# Altium PCB top_INA_v3.PcbDoc (part 4 of 5)
Units mil, origin at the board's own origin, x right, y up, seen from the top; angles counter-clockwise.
Board outline 10160 x 5830 mil, 2 copper layers (Top Layer, Bottom Layer); 635 components, 633 nets, 1722 pads, 292 vias.
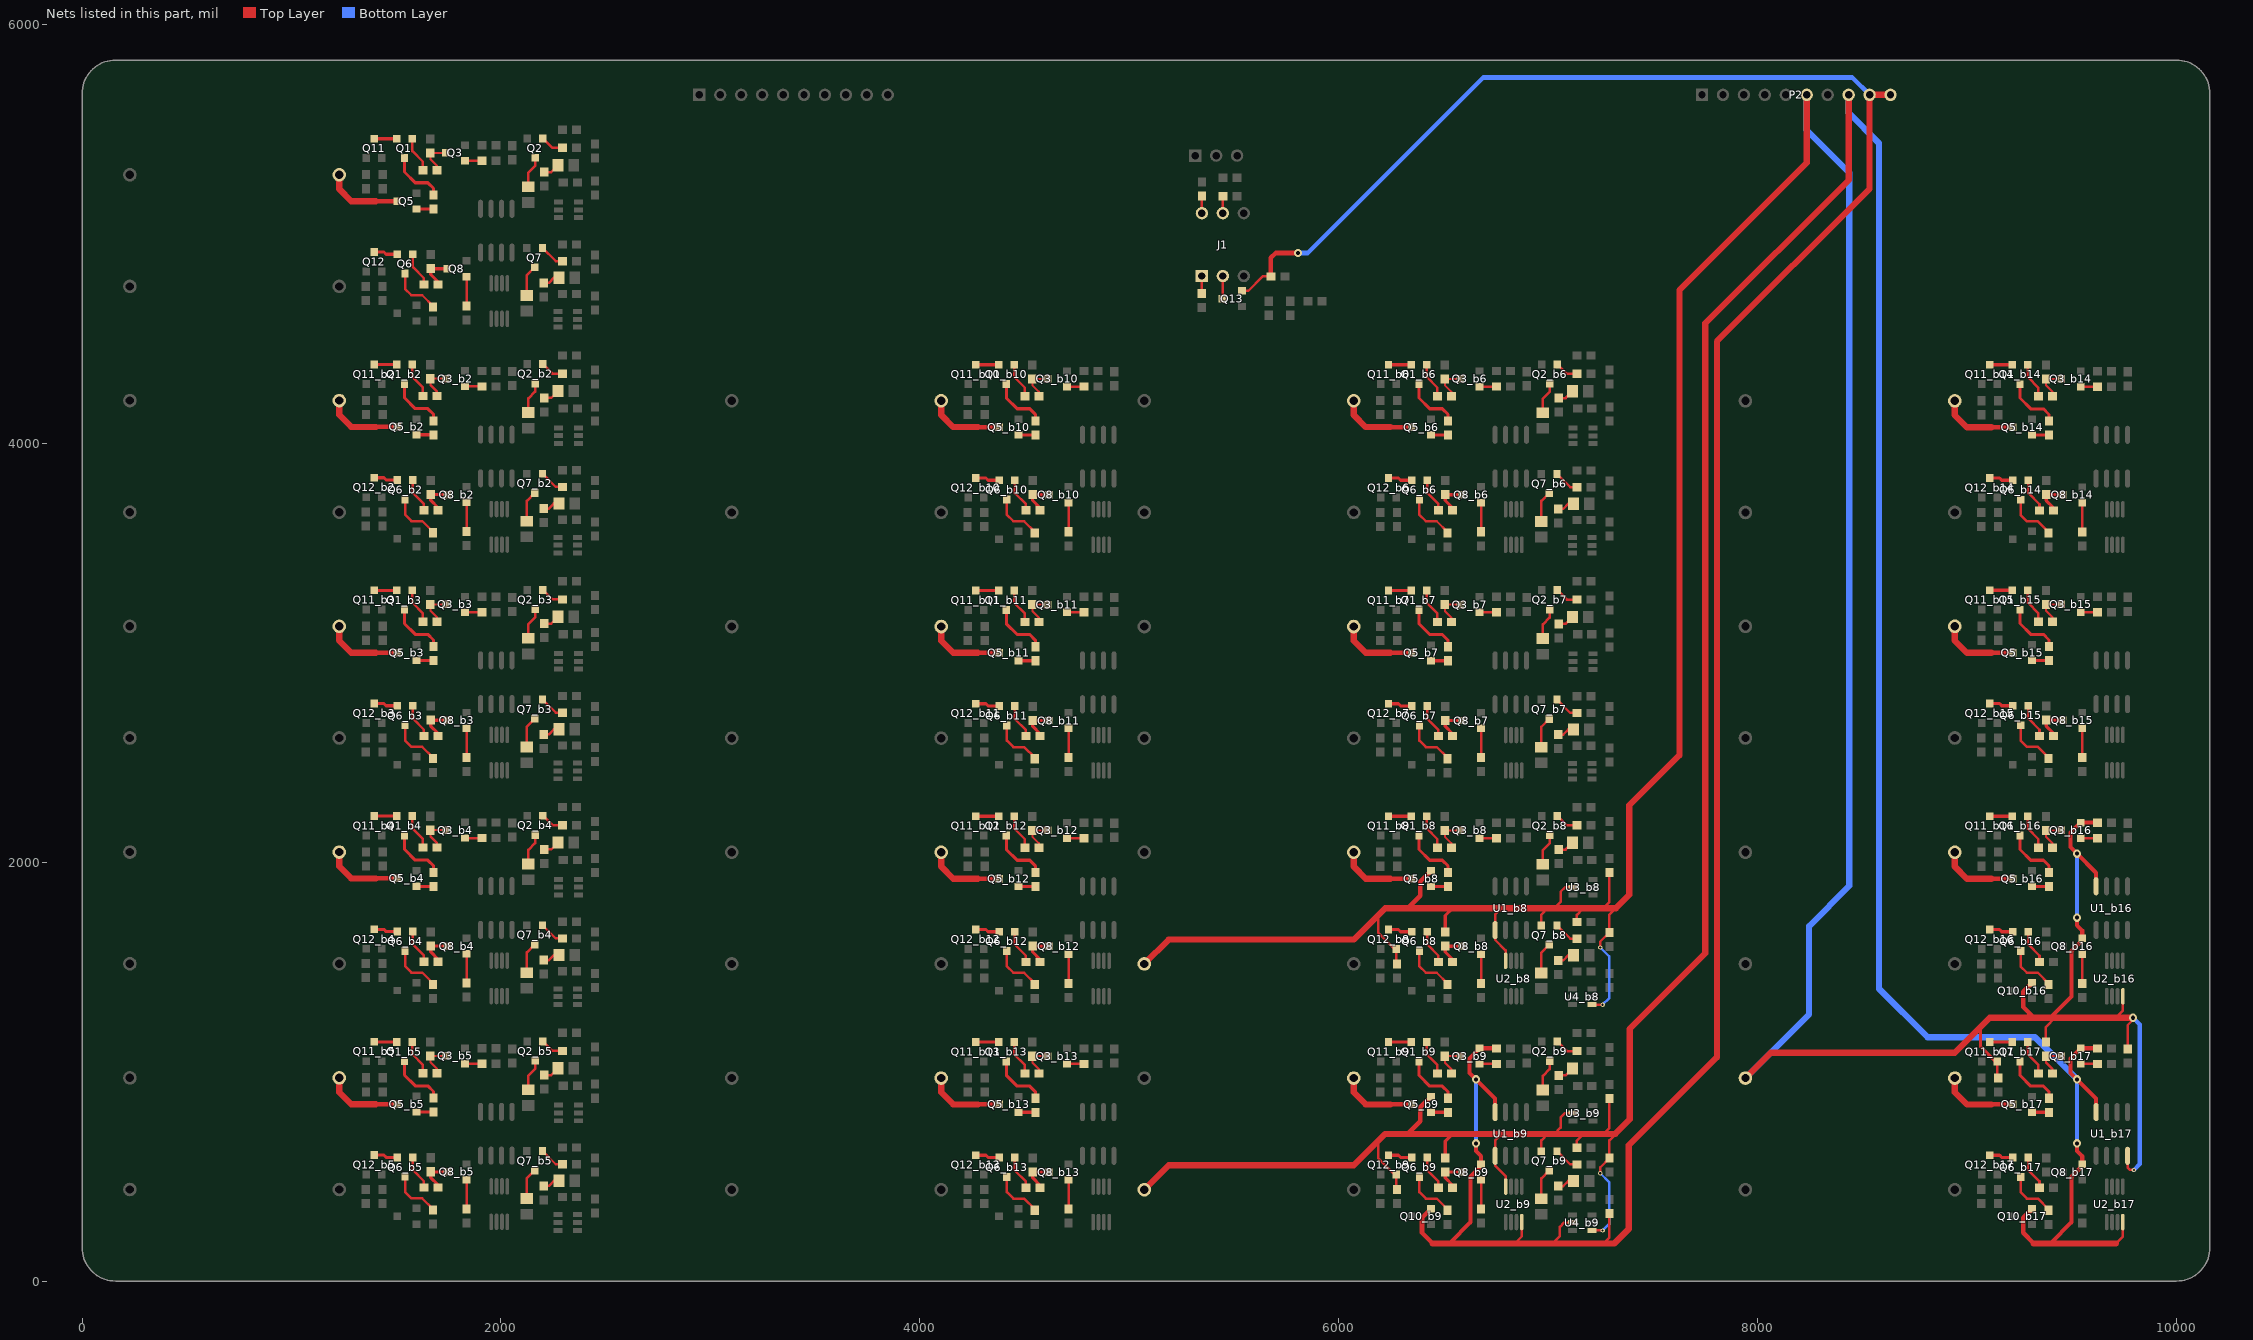
[diagram p4: the nets of this part, all layers, seen from the top]

## Via types
v1: diameter 20, hole 10, Top Layer to Bottom Layer, 235 vias
v2: diameter 40, hole 20, Top Layer to Bottom Layer, 53 vias
v3: diameter 125.98, hole 125.98, Top Layer to Bottom Layer, 4 vias

## Nets (pads, with @x,y where several pads share a name; then routed paths per layer and width w, separated by ;. In a path a pad name is that pad's centre, name@x,y a point inside that pad or via, vN(x,y) a via of type N, cw(c..) or ccw(c..) an arc to the next point about the centre after c; other vN are vias at no path point) (continued)
IN_A16: P2.6 Q3_b16.2 Q5_b8.2 Q7_b8.2 Q8_b16.2 Q10_b16.2 Q11_b17.2 Q12_b8.2 R1_b17.2 R6_b17.2 R9_b17.2 R12_b16.1 R13_b8.1 R14_b8.2 R19_b8.2 R20_b8.2 R21_b8.2 R40_b17.1 R42_b8.1 U1_b8.5 U1_b16.4 U1_b17.8 U2_b8.8 U2_b16.4 U3_b8.2 U4_b8.4 | length 19001.8
  Top Layer w12: 6187.99,1745.11 6187.99,1665.33 6267.25,1586.07 Q12_b8.2@6275.39,1586.07 6275.39,1517.4 R42_b8.1@6277.99,1514.8 ; 6777.86,1780.61 6746.86,1749.61 U1_b8.5@6746.86,1676.12 6746.86,1629.61 6797.47,1579 U2_b8.8@6797.47,1529.26 ; Q7_b8.2@6967.6,1698.26 6967.6,1750.21 6998,1780.61 ; 7030,1780.61 7060,1810.61 7060,1859 7081,1880 U3_b8.2@7119.76,1880 ; R20_b8.2@7137.54,1715 7137.54,1748.54 7165,1776 7165,1780.61 ; U4_b8.4@7210.24,1319.6 v1(7260.6,1319.6) ; v1(7249,1593) 7249,1621.22 R21_b8.2@7292.86,1665.07 7292.86,1749.61 7323.86,1780.61 ; 7264,1780.61 7292.86,1809.47 R13_b8.1@7292.86,1950.14 ; Q11_b17.2@9145.39,1049.07 9145.39,974.4 R40_b17.1@9149.99,969.8 ; R6_b17.2@9376.86,1140.54 9376.86,1212.86 9421.28,1257.28 ; 9457.28,1257.54 9457.35,1257.61 9457.54,1257.8 ; 9465.54,1257.54 9465.61,1257.61 ; 9710.86,1257.61 9744.24,1291 U2_b16.4@9744.24,1359.96 ; 9753.86,1256.61 9754.79,1257.54 9754.86,1257.61 ; U1_b17.8@9766.86,598.12 9766.86,542.61 9778.86,530.61 v1(9796.86,530.61) ; R9_b17.2@9767.86,1108.07 9767.86,1222.61 v2@9792.86,1247.61
  Top Layer w15: R19_b8.2@6508.86,1666.07 6508.86,1745.61 6543.86,1780.61 6547.86,1780.61 ; 9063.99,1206.86 9063.99,1120.89 Q11_b17.2@9135.81,1049.07
  Top Layer w20: Q11_b17.2@9135.81,1049.07 Q11_b17.2@9145.39,1049.07 ; 9400.86,1260.14 9499.86,1359.14 9499.86,1576.17 9550.12,1626.43 Q8_b16.2@9550.12,1636.01 9550.12,1674.35 9525.72,1698.74 v2(9525.72,1735.61) ; 9464.86,1256.61 9465.79,1257.54 ; U1_b16.4@9616.86,1885.1 9616.86,1949.88 v2(9525.72,2041.01) 9494.72,2072.01 9494.72,2141.15 Q3_b16.2@9542.98,2189.41 R12_b16.1@9623.86,2189.41
  Top Layer w22: 6329.86,1780.61 6389.86,1840.61 6389.86,1907.75 Q5_b8.2@6441.12,1959.01 ; Q10_b16.2@9311.12,1424.01 9267.86,1380.75 9267.86,1308.61 9318.86,1257.61 ; 9362.86,1257.61 9362.93,1257.54
  Top Layer w30: R14_b8.2@5071.99,1514.33 5188.27,1630.61 6071.99,1630.61 6221.99,1780.61 6329.86,1780.61 6543.86,1780.61 ; 6547.86,1780.61 6777.86,1780.61 6998,1780.61 7030,1780.61 7165,1780.61 7264,1780.61 7320.53,1780.61 ; 7323.86,1780.61 7388,1844.75 7388,2272.08 7626.99,2511.07 7626.99,4731.97 8234.99,5339.97 P2.6@8234.99,5664.07 ; R1_b17.2@7941.99,969.33 8063.02,1090.36 8941.99,1090.36 9109.24,1257.61 9318.86,1257.61 9362.86,1257.61 9457.35,1257.61 9465.61,1257.61 9710.86,1257.61 9754.86,1257.61 v2(9792.86,1257.61) ; 9362.93,1257.54 9457.28,1257.54 9465.54,1257.54 9465.79,1257.54 9754.79,1257.54
  Bottom Layer w12: v1(7249,1593) 7291,1551 7291,1350 v1(7260.6,1319.6)
  Bottom Layer w20: v2(9525.72,1735.61) v2(9525.72,2041.01) ; v2(9792.86,1257.61) 9824.86,1225.61 9824.86,558.61 v1(9796.86,530.61)
  Bottom Layer w30: R1_b17.2@7941.99,969.33 8245.99,1273.33 8245.99,1695.07 8438.57,1887.65 8438.57,5291.65 8234.99,5495.23 P2.6@8234.99,5664.07
IN_B8: P2.8 Q3_b17.2 Q5_b9.2 Q7_b9.2 Q8_b17.2 Q10_b17.2 Q12_b9.2 R12_b17.1 R13_b9.1 R14_b9.2 R19_b9.2 R20_b9.2 R21_b9.2 R42_b9.1 U1_b9.5 U1_b17.4 U2_b9.8 U2_b17.4 U3_b9.2 U4_b9.4 | length 17256.1
  Top Layer w12: 6187.99,667.11 6187.99,587.33 6267.25,508.07 Q12_b9.2@6275.39,508.07 6275.39,439.4 R42_b9.1@6277.99,436.8 ; 6777.86,702.61 6746.86,671.61 U1_b9.5@6746.86,598.12 6746.86,551.61 6797.47,501 U2_b9.8@6797.47,451.26 ; Q7_b9.2@6967.6,620.26 6967.6,672.21 6998,702.61 ; 7030,702.61 7060,732.61 7060,781 7081,802 U3_b9.2@7119.76,802 ; R20_b9.2@7137.54,637 7137.54,670.54 7165,698 7165,702.61 ; U4_b9.4@7210.24,241.6 v1(7260.6,241.6) ; v1(7249,515) 7249,543.22 R21_b9.2@7292.86,587.07 7292.86,671.61 7323.86,702.61 ; 7264,702.61 7292.86,731.47 R13_b9.1@7292.86,872.14 ; 9709.86,178.61 9710.79,179.54 9744.24,213 U2_b17.4@9744.24,281.96
  Top Layer w15: R19_b9.2@6508.86,588.07 6508.86,667.61 6543.86,702.61 6547.86,702.61
  Top Layer w20: 9400.86,182.14 9499.86,281.14 9499.86,498.17 9550.12,548.43 Q8_b17.2@9550.12,558.01 9550.12,596.35 9525.72,620.74 v2(9525.72,657.61) ; 9420.86,178.61 9421.79,179.54 ; U1_b17.4@9616.86,807.1 9616.86,871.88 v2(9525.72,963.01) 9494.72,994.01 9494.72,1063.15 Q3_b17.2@9542.98,1111.41 R12_b17.1@9623.86,1111.41
  Top Layer w22: 6329.86,702.61 6389.86,762.61 6389.86,829.75 Q5_b9.2@6441.12,881.01 ; Q10_b17.2@9311.12,346.01 9267.86,302.75 9267.86,230.61 9318.93,179.54
  Top Layer w30: R14_b9.2@5071.99,436.33 5188.27,552.61 6071.99,552.61 6221.99,702.61 6329.86,702.61 6543.86,702.61 ; 6547.86,702.61 6777.86,702.61 6998,702.61 7030,702.61 7165,702.61 7264,702.61 7320.53,702.61 7390,772.08 7390,1204.08 7750.99,1565.07 7750.99,4573.12 8434.99,5257.12 P2.8@8434.99,5664.07 ; 9318.93,179.54 9421.79,179.54 9710.79,179.54
  Bottom Layer w12: v1(7249,515) 7291,473 7291,272 v1(7260.6,241.6)
  Bottom Layer w20: v2(9525.72,657.61) v2(9525.72,963.01)
  Bottom Layer w30: P2.8@8434.99,5664.07 8434.99,5578.07 8579.99,5433.07 8579.99,1396.01 8812,1164 9324.74,1164 v2(9525.72,963.01)
IN_C8: P2.9 P2.10 Q3_b9.2 Q8_b9.2 Q10_b9.2 Q13.2 R12_b9.1 R24_b9.1 R28.1 U1_b9.4 U2_b9.4 U4_b9.2 | length 12409.3
  Top Layer w12: Q13.2@5538.25,4728.48 5568.39,4728.48 5636.99,4797.07 R28.1@5676.53,4797.07 ; 6840.79,179.54 6874.24,213 U2_b9.4@6874.24,281.96 ; 7021,179.54 7056,214.54 7056,259 7076,279 U4_b9.2@7115.76,279 ; 7264.17,179.54 7292.86,208.22 R24_b9.1@7292.86,323.14
  Top Layer w20: 6530.86,182.14 6629.86,281.14 6629.86,498.17 6680.12,548.43 Q8_b9.2@6680.12,558.01 6680.12,596.35 6655.72,620.74 v2(6655.72,657.61) ; U1_b9.4@6746.86,807.1 6746.86,871.88 v2(6655.72,963.01) 6624.72,994.01 6624.72,1063.15 Q3_b9.2@6672.98,1111.41 R12_b9.1@6753.86,1111.41
  Top Layer w22: R28.1@5676.53,4797.07 5676.53,4885.61 5699.99,4909.07 v2(5805.99,4909.07) ; Q10_b9.2@6441.12,346.01 6397.86,302.75 6397.86,230.61 6448.93,179.54
  Top Layer w30: 6448.93,179.54 6840.79,179.54 7021,179.54 7264.17,179.54 7315.99,179.54 7385,248.55 7385,648.08 7805.99,1069.07 7805.99,4486.7 8534.99,5215.7 8534.99,5664.07 P2.10@8634.99,5664.07
  Bottom Layer w20: v2(6655.72,657.61) v2(6655.72,963.01)
  Bottom Layer w22: v2(5805.99,4909.07) 5851.99,4909.07 6689.99,5747.07 8451.99,5747.07 P2.9@8534.99,5664.07
NetD1_1: D1.1 Q2.3 | length 151.6
  Top Layer w12: D1.1@2131,5225.4 2131,5293 2163,5325 Q2.3@2163,5363.74
NetD1_b2_1: D1_b2.1 Q2_b2.3 | length 151.6
  Top Layer w12: D1_b2.1@2131.01,4147.33 2131.01,4214.93 2163.01,4246.93 Q2_b2.3@2163.01,4285.67
NetD1_b3_1: D1_b3.1 Q2_b3.3 | length 151.6
  Top Layer w12: D1_b3.1@2131.01,3069.33 2131.01,3136.93 2163.01,3168.93 Q2_b3.3@2163.01,3207.67
NetD1_b4_1: D1_b4.1 Q2_b4.3 | length 151.6
  Top Layer w12: D1_b4.1@2131.01,1991.33 2131.01,2058.93 2163.01,2090.93 Q2_b4.3@2163.01,2129.67
NetD1_b5_1: D1_b5.1 Q2_b5.3 | length 151.6
  Top Layer w12: D1_b5.1@2131.01,913.33 2131.01,980.93 2163.01,1012.93 Q2_b5.3@2163.01,1051.67
NetD1_b6_1: D1_b6.1 Q2_b6.3 | length 151.6
  Top Layer w12: D1_b6.1@6975,4146.4 6975,4214 7007,4246 Q2_b6.3@7007,4284.74
NetD1_b7_1: D1_b7.1 Q2_b7.3 | length 151.6
  Top Layer w12: D1_b7.1@6975,3068.4 6975,3136 7007,3168 Q2_b7.3@7007,3206.74
NetD1_b8_1: D1_b8.1 Q2_b8.3 | length 151.6
  Top Layer w12: D1_b8.1@6975,1990.4 6975,2058 7007,2090 Q2_b8.3@7007,2128.74
NetD1_b9_1: D1_b9.1 Q2_b9.3 | length 151.6
  Top Layer w12: D1_b9.1@6975,912.4 6975,980 7007,1012 Q2_b9.3@7007,1050.74
NetD1_b10_1: 
NetD1_b11_1: 
NetD1_b12_1: 
NetD1_b13_1: 
NetD1_b14_1: 
NetD1_b15_1: 
NetD1_b16_1: 
NetD1_b17_1: 
NetD2_1: D2.1 Q7.3 | length 149.7
  Top Layer w12: D2.1@2124,4706.4 2124,4803.74 Q7.3@2161,4840.74
NetD2_b2_1: D2_b2.1 Q7_b2.3 | length 149.7
  Top Layer w12: D2_b2.1@2124.01,3628.33 2124.01,3725.67 Q7_b2.3@2161.01,3762.67
NetD2_b3_1: D2_b3.1 Q7_b3.3 | length 149.7
  Top Layer w12: D2_b3.1@2124.01,2550.33 2124.01,2647.67 Q7_b3.3@2161.01,2684.67
NetD2_b4_1: D2_b4.1 Q7_b4.3 | length 149.7
  Top Layer w12: D2_b4.1@2124.01,1472.33 2124.01,1569.67 Q7_b4.3@2161.01,1606.67
NetD2_b5_1: D2_b5.1 Q7_b5.3 | length 149.7
  Top Layer w12: D2_b5.1@2124.01,394.33 2124.01,491.67 Q7_b5.3@2161.01,528.67
NetD2_b6_1: D2_b6.1 Q7_b6.3 | length 149.7
  Top Layer w12: D2_b6.1@6968,3627.4 6968,3724.74 Q7_b6.3@7005,3761.74
NetD2_b7_1: D2_b7.1 Q7_b7.3 | length 149.7
  Top Layer w12: D2_b7.1@6968,2549.4 6968,2646.74 Q7_b7.3@7005,2683.74
NetD2_b8_1: D2_b8.1 Q7_b8.3 | length 149.7
  Top Layer w12: D2_b8.1@6968,1471.4 6968,1568.74 Q7_b8.3@7005,1605.74
NetD2_b9_1: D2_b9.1 Q7_b9.3 | length 149.7
  Top Layer w12: D2_b9.1@6968,393.4 6968,490.74 Q7_b9.3@7005,527.74
NetD2_b10_1: 
NetD2_b11_1: 
NetD2_b12_1: 
NetD2_b13_1: 
NetD2_b14_1: 
NetD2_b15_1: 
NetD2_b16_1: 
NetD2_b17_1: 
NetD3_1: D3.1 R52.2 | length 79.1
  Top Layer w12: R52.2@2207,5295.46 2240.06,5295.46 D3.1@2272.6,5328
NetD3_b2_1: D3_b2.1 R52_b2.2 | length 79.1
  Top Layer w12: R52_b2.2@2207.01,4217.39 2240.07,4217.39 D3_b2.1@2272.61,4249.93
NetD3_b3_1: D3_b3.1 R52_b3.2 | length 79.1
  Top Layer w12: R52_b3.2@2207.01,3139.39 2240.07,3139.39 D3_b3.1@2272.61,3171.93
NetD3_b4_1: D3_b4.1 R52_b4.2 | length 79.1
  Top Layer w12: R52_b4.2@2207.01,2061.39 2240.07,2061.39 D3_b4.1@2272.61,2093.93
NetD3_b5_1: D3_b5.1 R52_b5.2 | length 79.1
  Top Layer w12: R52_b5.2@2207.01,983.39 2240.07,983.39 D3_b5.1@2272.61,1015.93
NetD3_b6_1: D3_b6.1 R52_b6.2 | length 79.1
  Top Layer w12: R52_b6.2@7051,4216.46 7084.06,4216.46 D3_b6.1@7116.6,4249
NetD3_b7_1: D3_b7.1 R52_b7.2 | length 79.1
  Top Layer w12: R52_b7.2@7051,3138.46 7084.06,3138.46 D3_b7.1@7116.6,3171
NetD3_b8_1: D3_b8.1 R52_b8.2 | length 79.1
  Top Layer w12: R52_b8.2@7051,2060.46 7084.06,2060.46 D3_b8.1@7116.6,2093
NetD3_b9_1: D3_b9.1 R52_b9.2 | length 79.1
  Top Layer w12: R52_b9.2@7051,982.46 7084.06,982.46 D3_b9.1@7116.6,1015
NetD3_b10_1: 
NetD3_b11_1: 
NetD3_b12_1: 
NetD3_b13_1: 
NetD3_b14_1: 
NetD3_b15_1: 
NetD3_b16_1: 
NetD3_b17_1: 
NetD4_1: D4.1 R54.2 | length 83.8
  Top Layer w12: R54.2@2204,4766.46 2228.46,4766.46 2253,4791 D4.1@2277.6,4791
NetD4_b2_1: D4_b2.1 R54_b2.2 | length 83.8
  Top Layer w12: R54_b2.2@2204.01,3688.39 2228.47,3688.39 2253.01,3712.93 D4_b2.1@2277.61,3712.93
NetD4_b3_1: D4_b3.1 R54_b3.2 | length 83.8
  Top Layer w12: R54_b3.2@2204.01,2610.39 2228.47,2610.39 2253.01,2634.93 D4_b3.1@2277.61,2634.93
NetD4_b4_1: D4_b4.1 R54_b4.2 | length 83.8
  Top Layer w12: R54_b4.2@2204.01,1532.39 2228.47,1532.39 2253.01,1556.93 D4_b4.1@2277.61,1556.93
NetD4_b5_1: D4_b5.1 R54_b5.2 | length 83.8
  Top Layer w12: R54_b5.2@2204.01,454.39 2228.47,454.39 2253.01,478.93 D4_b5.1@2277.61,478.93
NetD4_b6_1: D4_b6.1 R54_b6.2 | length 83.8
  Top Layer w12: R54_b6.2@7048,3687.46 7072.46,3687.46 7097,3712 D4_b6.1@7121.6,3712
NetD4_b7_1: D4_b7.1 R54_b7.2 | length 83.8
  Top Layer w12: R54_b7.2@7048,2609.46 7072.46,2609.46 7097,2634 D4_b7.1@7121.6,2634
NetD4_b8_1: D4_b8.1 R54_b8.2 | length 83.8
  Top Layer w12: R54_b8.2@7048,1531.46 7072.46,1531.46 7097,1556 D4_b8.1@7121.6,1556
NetD4_b9_1: D4_b9.1 R54_b9.2 | length 83.8
  Top Layer w12: R54_b9.2@7048,453.46 7072.46,453.46 7097,478 D4_b9.1@7121.6,478
NetD4_b10_1: 
NetD4_b11_1: 
NetD4_b12_1: 
NetD4_b13_1: 
NetD4_b14_1: 
NetD4_b15_1: 
NetD4_b16_1: 
NetD4_b17_1: 
NetJ1_1: J1.1 R25.2 | length 82.5
  Top Layer w12: R25.2@5345.99,4715.54 J1.1@5345.99,4797.99
NetJ1_2: J1.2 Q13.3 | length 106.7
  Top Layer w12: Q13.3@5445.73,4691.07 J1.2@5445.73,4797.73
NetJ1_5: J1.5 R27.1 | length 80.5
  Top Layer w12: J1.5@5447,5099 R27.1@5447,5179.46
NetJ1_6: J1.6 R26.1 | length 82.5
  Top Layer w12: J1.6@5347,5099 R26.1@5347,5181.54
NetQ1_1: Q1.1 R35.2 | length 171.2
  Top Layer w12: Q1.1@1576.8,5454.33 1576.8,5395.14 1627.39,5344.54 R35.2@1627.39,5304.07
NetQ1_2: Q1.2 Q11.3 | length 107.7
  Top Layer w15: Q11.3@1394.25,5454.33 Q1.2@1501.99,5454.33
NetQ1_3: Q1.3 R11.2 | length 268.8
  Top Layer w15: Q1.3@1539.39,5361.81 1539.39,5295.54 1590.86,5244.07 1651.25,5244.07 1677.99,5217.33 R11.2@1677.99,5185.8
NetQ1_b2_1: Q1_b2.1 R35_b2.2 | length 171.2
  Top Layer w12: Q1_b2.1@1576.8,4376.26 1576.8,4317.06 1627.4,4266.46 R35_b2.2@1627.4,4226
NetQ1_b2_2: Q1_b2.2 Q11_b2.3 | length 107.7
  Top Layer w15: Q11_b2.3@1394.26,4376.26 Q1_b2.2@1502,4376.26
NetQ1_b2_3: Q1_b2.3 R11_b2.2 | length 268.8
  Top Layer w15: Q1_b2.3@1539.4,4283.74 1539.4,4217.46 1590.87,4166 1651.26,4166 1678,4139.26 R11_b2.2@1678,4107.72
NetQ1_b3_1: Q1_b3.1 R35_b3.2 | length 171.2
  Top Layer w12: Q1_b3.1@1576.8,3298.26 1576.8,3239.06 1627.4,3188.46 R35_b3.2@1627.4,3148
NetQ1_b3_2: Q1_b3.2 Q11_b3.3 | length 107.7
  Top Layer w15: Q11_b3.3@1394.26,3298.26 Q1_b3.2@1502,3298.26
NetQ1_b3_3: Q1_b3.3 R11_b3.2 | length 268.8
  Top Layer w15: Q1_b3.3@1539.4,3205.74 1539.4,3139.46 1590.87,3088 1651.26,3088 1678,3061.26 R11_b3.2@1678,3029.72
NetQ1_b4_1: Q1_b4.1 R35_b4.2 | length 171.2
  Top Layer w12: Q1_b4.1@1576.8,2220.26 1576.8,2161.06 1627.4,2110.46 R35_b4.2@1627.4,2070
NetQ1_b4_2: Q1_b4.2 Q11_b4.3 | length 107.7
  Top Layer w15: Q11_b4.3@1394.26,2220.26 Q1_b4.2@1502,2220.26
NetQ1_b4_3: Q1_b4.3 R11_b4.2 | length 268.8
  Top Layer w15: Q1_b4.3@1539.4,2127.74 1539.4,2061.46 1590.87,2010 1651.26,2010 1678,1983.26 R11_b4.2@1678,1951.72
NetQ1_b5_1: Q1_b5.1 R35_b5.2 | length 171.2
  Top Layer w12: Q1_b5.1@1576.8,1142.26 1576.8,1083.06 1627.4,1032.46 R35_b5.2@1627.4,992
NetQ1_b5_2: Q1_b5.2 Q11_b5.3 | length 107.7
  Top Layer w15: Q11_b5.3@1394.26,1142.26 Q1_b5.2@1502,1142.26
NetQ1_b5_3: Q1_b5.3 R11_b5.2 | length 268.8
  Top Layer w15: Q1_b5.3@1539.4,1049.74 1539.4,983.46 1590.87,932 1651.26,932 1678,905.26 R11_b5.2@1678,873.72
NetQ1_b6_1: Q1_b6.1 R35_b6.2 | length 171.2
  Top Layer w12: Q1_b6.1@6420.8,4375.33 6420.8,4316.14 6471.39,4265.54 R35_b6.2@6471.39,4225.07
NetQ1_b6_2: Q1_b6.2 Q11_b6.3 | length 107.7
  Top Layer w15: Q11_b6.3@6238.25,4375.33 Q1_b6.2@6345.99,4375.33
NetQ1_b6_3: Q1_b6.3 R11_b6.2 | length 268.8
  Top Layer w15: Q1_b6.3@6383.39,4282.81 6383.39,4216.54 6434.86,4165.07 6495.25,4165.07 6521.99,4138.33 R11_b6.2@6521.99,4106.8
NetQ1_b7_1: Q1_b7.1 R35_b7.2 | length 171.2
  Top Layer w12: Q1_b7.1@6420.8,3297.33 6420.8,3238.14 6471.39,3187.54 R35_b7.2@6471.39,3147.07
NetQ1_b7_2: Q1_b7.2 Q11_b7.3 | length 107.7
  Top Layer w15: Q11_b7.3@6238.25,3297.33 Q1_b7.2@6345.99,3297.33
NetQ1_b7_3: Q1_b7.3 R11_b7.2 | length 268.8
  Top Layer w15: Q1_b7.3@6383.39,3204.81 6383.39,3138.54 6434.86,3087.07 6495.25,3087.07 6521.99,3060.33 R11_b7.2@6521.99,3028.8
NetQ1_b8_1: Q1_b8.1 R35_b8.2 | length 171.2
  Top Layer w12: Q1_b8.1@6420.8,2219.33 6420.8,2160.14 6471.39,2109.54 R35_b8.2@6471.39,2069.07
NetQ1_b8_2: Q1_b8.2 Q11_b8.3 | length 107.7
  Top Layer w15: Q11_b8.3@6238.25,2219.33 Q1_b8.2@6345.99,2219.33
NetQ1_b8_3: Q1_b8.3 R11_b8.2 | length 268.8
  Top Layer w15: Q1_b8.3@6383.39,2126.81 6383.39,2060.54 6434.86,2009.07 6495.25,2009.07 6521.99,1982.33 R11_b8.2@6521.99,1950.8
NetQ1_b9_1: Q1_b9.1 R35_b9.2 | length 171.2
  Top Layer w12: Q1_b9.1@6420.8,1141.33 6420.8,1082.14 6471.39,1031.54 R35_b9.2@6471.39,991.07
NetQ1_b9_2: Q1_b9.2 Q11_b9.3 | length 107.7
  Top Layer w15: Q11_b9.3@6238.25,1141.33 Q1_b9.2@6345.99,1141.33
NetQ1_b9_3: Q1_b9.3 R11_b9.2 | length 268.8
  Top Layer w15: Q1_b9.3@6383.39,1048.81 6383.39,982.54 6434.86,931.07 6495.25,931.07 6521.99,904.33 R11_b9.2@6521.99,872.8
NetQ1_b10_1: Q1_b10.1 R35_b10.2 | length 171.2
  Top Layer w12: Q1_b10.1@4450.8,4375.33 4450.8,4316.14 4501.39,4265.54 R35_b10.2@4501.39,4225.07
NetQ1_b10_2: Q1_b10.2 Q11_b10.3 | length 107.7
  Top Layer w15: Q11_b10.3@4268.25,4375.33 Q1_b10.2@4375.99,4375.33
NetQ1_b10_3: Q1_b10.3 R11_b10.2 | length 268.8
  Top Layer w15: Q1_b10.3@4413.39,4282.81 4413.39,4216.54 4464.86,4165.07 4525.25,4165.07 4551.99,4138.33 R11_b10.2@4551.99,4106.8
NetQ1_b11_1: Q1_b11.1 R35_b11.2 | length 171.2
  Top Layer w12: Q1_b11.1@4450.8,3297.33 4450.8,3238.14 4501.39,3187.54 R35_b11.2@4501.39,3147.07
NetQ1_b11_2: Q1_b11.2 Q11_b11.3 | length 107.7
  Top Layer w15: Q11_b11.3@4268.25,3297.33 Q1_b11.2@4375.99,3297.33
NetQ1_b11_3: Q1_b11.3 R11_b11.2 | length 268.8
  Top Layer w15: Q1_b11.3@4413.39,3204.81 4413.39,3138.54 4464.86,3087.07 4525.25,3087.07 4551.99,3060.33 R11_b11.2@4551.99,3028.8
NetQ1_b12_1: Q1_b12.1 R35_b12.2 | length 171.2
  Top Layer w12: Q1_b12.1@4450.8,2219.33 4450.8,2160.14 4501.39,2109.54 R35_b12.2@4501.39,2069.07
NetQ1_b12_2: Q1_b12.2 Q11_b12.3 | length 107.7
  Top Layer w15: Q11_b12.3@4268.25,2219.33 Q1_b12.2@4375.99,2219.33
NetQ1_b12_3: Q1_b12.3 R11_b12.2 | length 268.8
  Top Layer w15: Q1_b12.3@4413.39,2126.81 4413.39,2060.54 4464.86,2009.07 4525.25,2009.07 4551.99,1982.33 R11_b12.2@4551.99,1950.8
NetQ1_b13_1: Q1_b13.1 R35_b13.2 | length 171.2
  Top Layer w12: Q1_b13.1@4450.8,1141.33 4450.8,1082.14 4501.39,1031.54 R35_b13.2@4501.39,991.07
NetQ1_b13_2: Q1_b13.2 Q11_b13.3 | length 107.7
  Top Layer w15: Q11_b13.3@4268.25,1141.33 Q1_b13.2@4375.99,1141.33
NetQ1_b13_3: Q1_b13.3 R11_b13.2 | length 268.8
  Top Layer w15: Q1_b13.3@4413.39,1048.81 4413.39,982.54 4464.86,931.07 4525.25,931.07 4551.99,904.33 R11_b13.2@4551.99,872.8
NetQ1_b14_1: Q1_b14.1 R35_b14.2 | length 171.2
  Top Layer w12: Q1_b14.1@9290.8,4375.07 9290.8,4315.88 9341.39,4265.28 R35_b14.2@9341.39,4224.81
NetQ1_b14_2: Q1_b14.2 Q11_b14.3 | length 107.7
  Top Layer w15: Q11_b14.3@9108.25,4375.07 Q1_b14.2@9215.99,4375.07
NetQ1_b14_3: Q1_b14.3 R11_b14.2 | length 268.8
  Top Layer w15: Q1_b14.3@9253.39,4282.55 9253.39,4216.28 9304.86,4164.81 9365.25,4164.81 9391.99,4138.07 R11_b14.2@9391.99,4106.54
NetQ1_b15_1: Q1_b15.1 R35_b15.2 | length 171.2
  Top Layer w12: Q1_b15.1@9290.8,3298.33 9290.8,3239.14 9341.39,3188.54 R35_b15.2@9341.39,3148.07
NetQ1_b15_2: Q1_b15.2 Q11_b15.3 | length 107.7
  Top Layer w15: Q11_b15.3@9108.25,3298.33 Q1_b15.2@9215.99,3298.33
NetQ1_b15_3: Q1_b15.3 R11_b15.2 | length 268.8
  Top Layer w15: Q1_b15.3@9253.39,3205.81 9253.39,3139.54 9304.86,3088.07 9365.25,3088.07 9391.99,3061.33 R11_b15.2@9391.99,3029.8
NetQ1_b16_1: Q1_b16.1 R35_b16.2 | length 171.2
  Top Layer w12: Q1_b16.1@9290.8,2219.33 9290.8,2160.14 9341.39,2109.54 R35_b16.2@9341.39,2069.07
NetQ1_b16_2: Q1_b16.2 Q11_b16.3 | length 107.7
  Top Layer w15: Q11_b16.3@9108.25,2219.33 Q1_b16.2@9215.99,2219.33
NetQ1_b16_3: Q1_b16.3 R11_b16.2 | length 268.8
  Top Layer w15: Q1_b16.3@9253.39,2126.81 9253.39,2060.54 9304.86,2009.07 9365.25,2009.07 9391.99,1982.33 R11_b16.2@9391.99,1950.8
NetQ1_b17_1: Q1_b17.1 R35_b17.2 | length 171.2
  Top Layer w12: Q1_b17.1@9290.8,1141.33 9290.8,1082.14 9341.39,1031.54 R35_b17.2@9341.39,991.07
NetQ1_b17_2: Q1_b17.2 Q11_b17.3 | length 107.7
  Top Layer w15: Q11_b17.3@9108.25,1141.33 Q1_b17.2@9215.99,1141.33